# KiCad board RadCheck-SDRAM.kicad_pcb (continued)
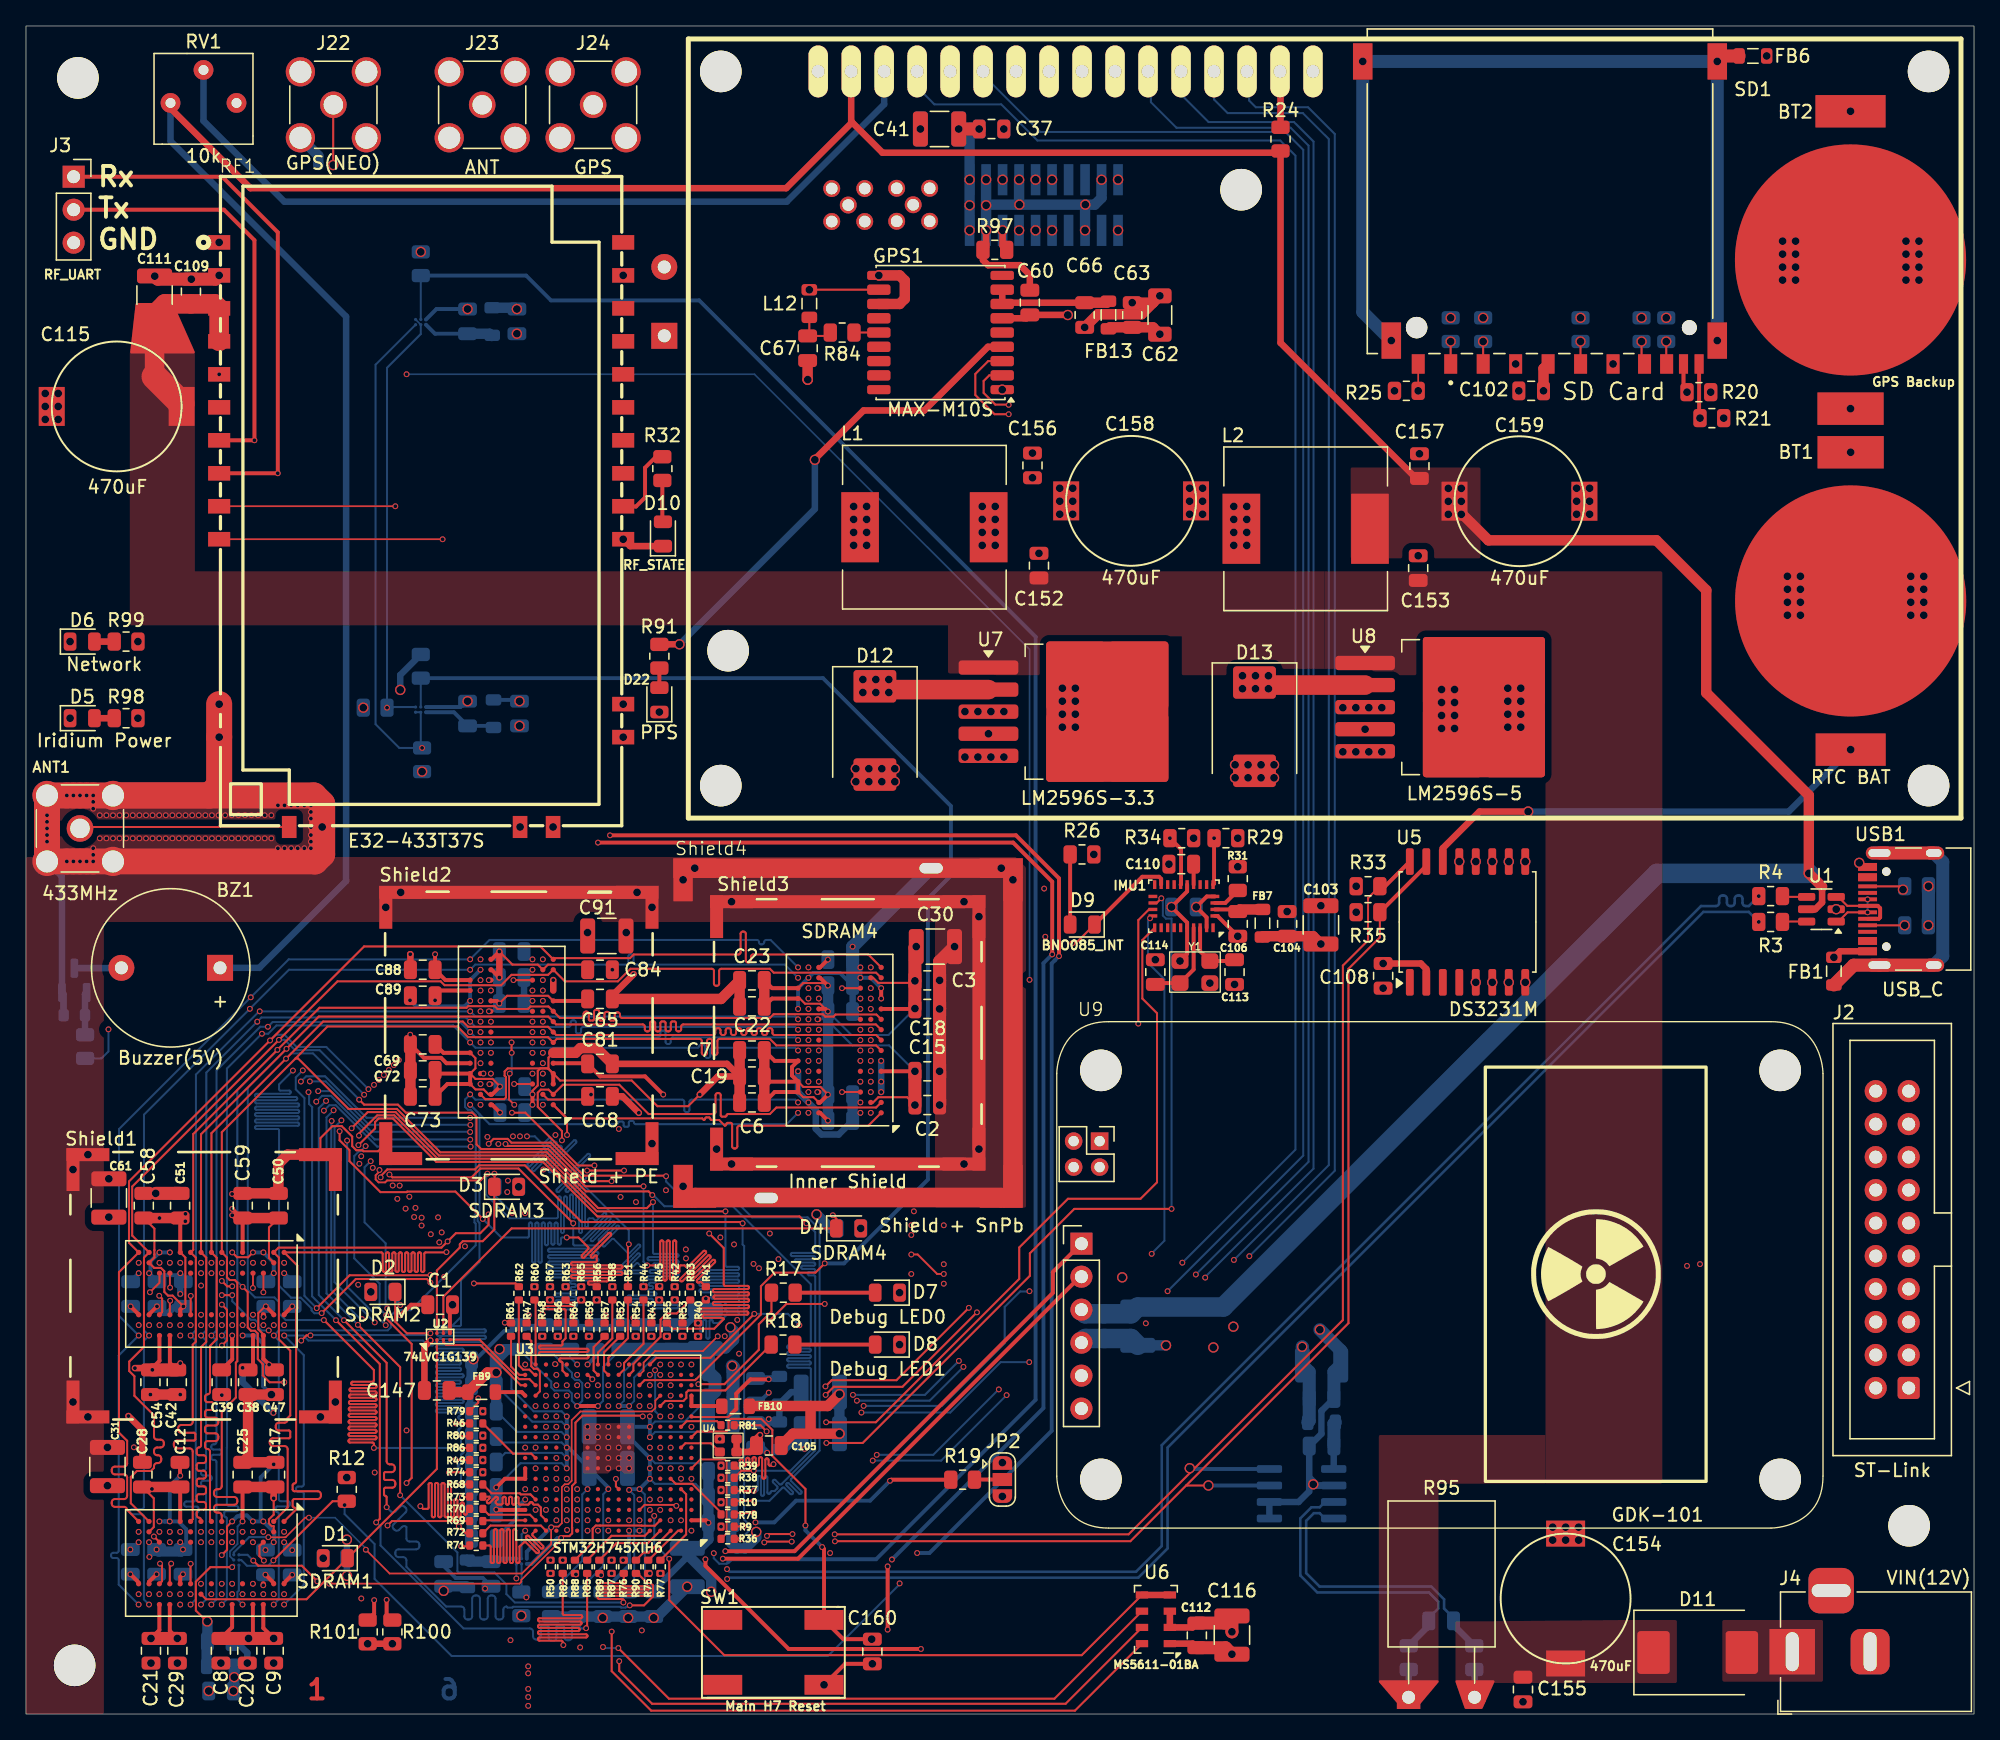
[diagram p0: board, top side]
## Routing (per net, layer and track width the routed paths; a pad name or vN(x,y) marks a point on that pad's centre or on a via; arc(x,y) is an arc through that point) (continued)
SDRAM_D27: length 168.7
  Top w0.157: R74.2 32.61,18.62 v1(32.59,18.6)
  In1.Cu w0.127: 17.89,25 17.89,34.36 v1(18.28,34.75) 18.28,35.02 18.66,35.39 18.66,40.8 v1(23.54,45.67) 24.91,47.05 24.91,47.2 28.47,50.76 32.72,50.76 34.54,48.94 39.38,48.94 v1(39.8,48.52) 40.18,48.14 40.76,48.14 40.9,48.28 46.26,48.28 ; 17.89,19.18 17.89,14.41 v1(18.27,14.03) ; 52.78,48.28 64.67,48.28 v1(65.05,47.9)
  In1.Cu w0.129: 52.78,48.28 47.78,48.28 arc(47.66,48.33) 47.62,48.44 47.62,48.66 arc(47.57,48.77) 47.46,48.82 47.38,48.82 arc(47.26,48.77) 47.22,48.66 47.22,47.1 arc(47.17,46.99) 47.06,46.94 46.98,46.94 arc(46.86,46.99) 46.82,47.1 46.82,48.66 arc(46.77,48.77) 46.66,48.82 46.58,48.82 arc(46.46,48.77) 46.42,48.66 46.42,48.44 arc(46.37,48.33) 46.26,48.28 ; 17.89,25 17.89,22.06 arc(17.96,21.89) 18.13,21.82 18.76,21.82 arc(18.93,21.75) 19,21.58 19,21.46 arc(18.93,21.29) 18.76,21.22 17.77,21.22 arc(17.67,21.18) 17.64,21.09 17.64,20.75 arc(17.67,20.66) 17.77,20.62 18.76,20.62 arc(18.93,20.55) 19,20.38 19,20.26 arc(18.93,20.09) 18.76,20.02 17.78,20.02 arc(17.7,19.99) 17.67,19.91 17.67,19.4 arc(17.7,19.32) 17.78,19.29 arc(17.86,19.26) 17.89,19.18
  In3.Cu w0.142: v1(26.85,18.6) 26.2,19.25 26.2,30.08 v1(25.87,30.41)
  In4.Cu w0.129: v1(26.85,18.6) 29.54,18.6 arc(29.61,18.63) 29.63,18.69 29.63,20.37 arc(29.66,20.43) 29.72,20.46 29.76,20.46 arc(29.83,20.43) 29.85,20.37 29.85,16.73 arc(29.88,16.67) 29.94,16.64 29.98,16.64 arc(30.05,16.67) 30.07,16.73 30.07,20.37 arc(30.1,20.43) 30.16,20.46 30.2,20.46 arc(30.26,20.43) 30.29,20.37 30.29,16.73 arc(30.32,16.67) 30.38,16.64 30.42,16.64 arc(30.48,16.67) 30.51,16.73 30.51,20.37 arc(30.54,20.43) 30.6,20.46 30.64,20.46 arc(30.7,20.43) 30.73,20.37 30.73,16.73 arc(30.75,16.67) 30.82,16.64 30.86,16.64 arc(30.92,16.67) 30.95,16.73 30.95,20.37 arc(30.97,20.43) 31.04,20.46 31.08,20.46 arc(31.14,20.43) 31.17,20.37 31.17,16.73 arc(31.19,16.67) 31.25,16.64 31.3,16.64 arc(31.36,16.67) 31.39,16.73 31.39,20.37 arc(31.41,20.43) 31.47,20.46 31.52,20.46 arc(31.58,20.43) 31.61,20.37 31.61,16.73 arc(31.63,16.67) 31.69,16.64 31.74,16.64 arc(31.8,16.67) 31.83,16.73 31.83,20.37 arc(31.85,20.43) 31.91,20.46 31.96,20.46 arc(32.02,20.43) 32.04,20.37 32.04,16.73 arc(32.07,16.67) 32.13,16.64 32.18,16.64 arc(32.24,16.67) 32.26,16.73 32.26,18.51 arc(32.29,18.57) 32.35,18.6 32.58,18.6 v1(32.59,18.6)
  Bottom w0.157: v1(23.54,45.67) 23.51,45.65 23.51,32.65 25.75,30.41 v1(25.87,30.41)
SDRAM_D28: length 172.8
  Top w0.157: v1(41.27,44.18) 41.27,44.89 39.41,46.76 39.41,47.85 39.65,48.09 40.23,48.09 SDRAM3.B1 41.34,48.46 45.69,48.46 47.94,46.21 52.94,46.21 arc(53.05,46.25) 53.1,46.37 53.1,47.66 arc(53.14,47.77) 53.26,47.82 53.34,47.82 arc(53.45,47.77) 53.5,47.66 53.5,46.11 arc(53.53,46.04) 53.6,46.01 53.85,46.01 arc(53.92,46.04) 53.95,46.11 arc(53.98,46.18) 54.05,46.21 57.28,46.21 57.78,46.71 65.46,46.71 SDRAM4.B1 ; v1(35.62,38.48) 35.62,37.67 34.98,37.03 33.1,37.03 v1(32.47,36.39) 31.99,35.92 19.45,35.92 SDRAM2.B1 19.47,35.16 19.47,28.86 20.35,27.98 20.35,23 20.15,22.8 20.15,22.68 arc(20.08,22.51) 19.91,22.44 19.47,22.44 arc(19.3,22.37) 19.23,22.2 19.23,22.08 arc(19.3,21.91) 19.47,21.84 20.25,21.84 arc(20.32,21.81) 20.35,21.74 20.35,21.34 arc(20.32,21.27) 20.25,21.24 19.01,21.24 arc(18.84,21.17) 18.77,21 18.77,20.88 arc(18.84,20.71) 19.01,20.64 19.91,20.64 arc(20.08,20.57) 20.15,20.4 20.15,15.91 SDRAM1.B1
  In3.Cu w0.142: v1(41.27,44.18) 40.21,44.18 v1(37.11,41.08) ; v1(32.47,36.39) 32.93,35.93 32.93,35.18 31.81,34.06 31.81,19.92 34.61,17.12 34.61,14.16 arc(34.58,14.1) 34.52,14.07 32.88,14.07 arc(32.82,14.04) 32.79,13.97 32.79,13.93 arc(32.82,13.86) 32.88,13.84 35.74,13.84 arc(35.8,13.81) 35.83,13.74 35.83,13.7 arc(35.8,13.63) 35.74,13.6 33.33,13.6 arc(33.27,13.58) 33.24,13.51 33.24,13.46 arc(33.27,13.4) 33.33,13.37 35.59,13.37 arc(35.65,13.34) 35.68,13.28 35.68,13.23 arc(35.65,13.17) 35.59,13.14 34.38,13.14 arc(34.32,13.11) 34.29,13.04 34.29,13 arc(34.32,12.93) 34.38,12.91 34.89,12.91 arc(34.95,12.88) 34.98,12.81 34.98,12.77 arc(34.95,12.7) 34.89,12.67 34.7,12.67 arc(34.64,12.65) 34.61,12.58 34.92,12.27 arc(34.98,12.25) 35.05,12.27 35.53,12.76 arc(35.6,12.79) 35.66,12.76 35.7,12.73 arc(35.72,12.66) 35.7,12.59 35.21,12.11 arc(35.18,12.04) 35.21,11.98 35.24,11.95 arc(35.31,11.92) 35.38,11.95 35.54,12.11 arc(35.61,12.14) 35.67,12.11 35.71,12.08 arc(35.73,12.01) 35.71,11.95 35.54,11.78 arc(35.51,11.72) 35.54,11.65 35.74,11.45 35.99,11.45 arc(36.06,11.48) 36.09,11.54 36.09,13.28 arc(36.11,13.34) 36.18,13.37 36.23,13.37 arc(36.29,13.34) 36.32,13.28 36.32,11.54 arc(36.35,11.48) 36.41,11.45 36.46,11.45 arc(36.52,11.48) 36.55,11.54 36.55,13.28 arc(36.58,13.34) 36.64,13.37 36.69,13.37 arc(36.76,13.34) 36.78,13.28 36.78,11.54 arc(36.81,11.48) 36.88,11.45 36.92,11.45 arc(36.99,11.48) 37.02,11.54 37.02,13.28 arc(37.04,13.34) 37.11,13.37 37.16,13.37 arc(37.22,13.34) 37.25,13.28 37.25,11.54 arc(37.28,11.48) 37.34,11.45 37.39,11.45 arc(37.45,11.48) 37.48,11.54 37.48,13.28 arc(37.51,13.34) 37.57,13.37 37.62,13.37 arc(37.69,13.34) 37.71,13.28 37.71,11.54 arc(37.74,11.48) 37.81,11.45 37.85,11.45 arc(37.92,11.48) 37.95,11.54 37.95,13.28 arc(37.97,13.34) 38.04,13.37 38.09,13.37 arc(38.15,13.34) 38.18,13.28 38.18,11.54 arc(38.21,11.48) 38.27,11.45 38.32,11.45 arc(38.38,11.48) 38.41,11.54 38.41,13.28 arc(38.44,13.34) 38.5,13.37 38.55,13.37 arc(38.62,13.34) 38.64,13.28 38.64,11.54 arc(38.67,11.48) 38.74,11.45 38.78,11.45 arc(38.85,11.48) 38.88,11.54 38.88,13.28 arc(38.9,13.34) 38.97,13.37 39.02,13.37 arc(39.08,13.34) 39.11,13.28 39.11,11.54 arc(39.14,11.48) 39.2,11.45 39.25,11.45 arc(39.31,11.48) 39.34,11.54 39.34,13.28 arc(39.37,13.34) 39.43,13.37 39.48,13.37 arc(39.55,13.34) 39.57,13.28 39.57,11.54 arc(39.6,11.48) 39.67,11.45 47.42,11.45 v1(48.04,10.83)
  In4.Cu w0.129: v1(37.11,41.08) 36.33,41.08 35.62,40.37 v1(35.62,38.48)
SDRAM_D29: length 165.7
  Top w0.157: v1(28.81,16.85) 28.81,26.72 v1(25.56,29.97) ; R76.2 46.03,10.19 arc(46,10.12) 45.93,10.09 44.13,10.09 arc(44.06,10.06) 44.03,9.99 44.03,9.94 arc(44.06,9.87) 44.13,9.84 47.93,9.84 arc(48,9.81) 48.03,9.74 48.03,9.69 arc(48,9.62) 47.93,9.6 44.13,9.6 arc(44.06,9.57) 44.03,9.5 44.03,9.45 arc(44.06,9.38) 44.13,9.35 47.93,9.35 arc(48,9.32) 48.03,9.25 48.03,9.2 arc(48,9.13) 47.93,9.1 44.13,9.1 arc(44.06,9.07) 44.03,9 44.03,8.95 arc(44.06,8.88) 44.13,8.86 45.93,8.86 arc(46,8.83) 46.03,8.76 46.03,8.62 v1(46,8.59)
  In1.Cu w0.127: v1(17.47,14.03) 17.09,14.41 17.09,14.46 ; 17.09,21.59 17.09,34.36 v1(17.48,34.75) 17.86,35.13 17.86,40.67 v1(23.68,46.49) 23.68,46.57 28.23,51.12 32.67,51.12 34.06,49.73 39.39,49.73 v1(39.8,49.32) 40.19,48.93 40.75,48.93 40.9,49.08 42.75,49.08 ; 48.15,49.08 64.67,49.08 v1(65.05,48.7) ; 17.09,14.88 17.09,15.12
  In1.Cu w0.129: 17.09,21.59 17.09,19.8 arc(17.02,19.63) 16.85,19.56 16.81,19.56 arc(16.64,19.49) 16.57,19.32 16.57,19.2 arc(16.64,19.03) 16.81,18.96 17.38,18.96 arc(17.55,18.89) 17.62,18.72 17.62,18.6 arc(17.55,18.43) 17.38,18.36 16.81,18.36 arc(16.64,18.29) 16.57,18.12 16.57,18 arc(16.64,17.83) 16.81,17.76 17.38,17.76 arc(17.55,17.69) 17.62,17.52 17.62,17.4 arc(17.55,17.23) 17.38,17.16 16.81,17.16 arc(16.64,17.09) 16.57,16.92 16.57,16.8 arc(16.64,16.63) 16.81,16.56 17.38,16.56 arc(17.55,16.49) 17.62,16.32 17.62,16.2 arc(17.55,16.03) 17.38,15.96 16.81,15.96 arc(16.64,15.89) 16.57,15.72 16.57,15.6 arc(16.64,15.43) 16.81,15.36 16.85,15.36 arc(17.02,15.29) 17.09,15.12 ; 17.09,14.46 17.09,14.88 ; 48.15,49.08 45.07,49.08 arc(44.95,49.13) 44.91,49.24 44.91,49.45 arc(44.86,49.56) 44.75,49.61 44.67,49.61 arc(44.55,49.56) 44.51,49.45 44.51,48.76 arc(44.46,48.65) 44.35,48.6 44.27,48.6 arc(44.15,48.65) 44.11,48.76 44.11,49.45 arc(44.06,49.56) 43.95,49.61 43.87,49.61 arc(43.75,49.56) 43.71,49.45 43.71,48.76 arc(43.66,48.65) 43.55,48.6 43.47,48.6 arc(43.35,48.65) 43.31,48.76 43.31,49.45 arc(43.26,49.56) 43.15,49.61 43.07,49.61 arc(42.95,49.56) 42.91,49.45 42.91,49.24 arc(42.86,49.13) 42.75,49.08
  Bottom w0.157: v1(23.68,46.49) 23.14,45.95 23.14,32.39 v1(25.56,29.97) ; v1(46,8.59) 37.64,8.59 36.99,9.24 36.99,9.98 36.06,10.91 33.31,10.91 33.22,11 33.22,12.44 v1(28.81,16.85)
SDRAM_D30: length 169.1
  Top w0.142: SDRAM2.D3 17.48,32.82 v1(17.47,32.81)
  Top w0.157: v1(27.74,30.7) 27.74,30.46 29.7,28.5 29.7,18.18 v1(29.3,17.79)
  In2.Cu w0.127: v1(17.47,13.23) 17.09,13.61 17.09,18.39 ; 26.18,43.84 31.27,48.94 38.62,48.94 v1(39,49.32) 39.39,48.93 40.75,48.93 40.9,49.08 43.33,49.08 ; 26.18,43.84 26.15,43.82 v1(26.15,43.74) ; 26.18,43.84 25.87,43.54 25.86,43.54 18.87,36.55 18.87,34.28 17.47,32.88 v1(17.47,32.81) 17.09,32.43 17.09,23.84 ; 52.47,49.08 63.87,49.08 v1(64.25,48.7)
  In2.Cu w0.129: 17.09,23.84 17.09,22.31 arc(17.05,22.2) 16.93,22.15 16.03,22.15 arc(15.92,22.11) 15.87,21.99 15.87,21.91 arc(15.92,21.8) 16.03,21.75 17.36,21.75 arc(17.47,21.71) 17.52,21.59 17.52,21.51 arc(17.47,21.4) 17.36,21.35 16.03,21.35 arc(15.92,21.31) 15.87,21.19 15.87,21.11 arc(15.92,21) 16.03,20.95 17.19,20.95 arc(17.27,20.92) 17.29,20.85 17.29,20.65 arc(17.27,20.58) 17.19,20.55 16.02,20.55 arc(15.91,20.51) 15.86,20.39 15.86,20.31 arc(15.91,20.2) 16.02,20.15 16.93,20.15 arc(17.05,20.11) 17.09,19.99 17.09,19.91 arc(17.05,19.8) 16.93,19.75 16.4,19.75 arc(16.29,19.71) 16.24,19.59 16.24,19.51 arc(16.29,19.4) 16.4,19.35 17.19,19.35 arc(17.27,19.32) 17.29,19.25 17.29,19.05 arc(17.27,18.98) 17.19,18.95 16.32,18.95 arc(16.2,18.91) 16.16,18.79 16.16,18.71 arc(16.2,18.6) 16.32,18.55 16.93,18.55 arc(17.05,18.51) 17.09,18.39 ; 52.47,49.08 44.45,49.08 arc(44.33,49.03) 44.29,48.92 44.29,48.78 arc(44.24,48.66) 44.13,48.62 44.05,48.62 arc(43.93,48.66) 43.89,48.78 43.89,50.23 arc(43.84,50.35) 43.73,50.39 43.65,50.39 arc(43.53,50.35) 43.49,50.23 43.49,49.24 arc(43.44,49.13) 43.33,49.08
  In4.Cu w0.129: v1(29.3,17.79) 29.3,12.76 32,10.06 38,10.06 arc(38.17,10.13) 38.24,10.3 38.24,10.81 arc(38.31,10.98) 38.48,11.05 38.6,11.05 arc(38.77,10.98) 38.84,10.81 38.84,9.32 arc(38.91,9.15) 39.08,9.08 39.2,9.08 arc(39.37,9.15) 39.44,9.32 39.44,10.61 arc(39.51,10.78) 39.68,10.85 39.8,10.85 arc(39.97,10.78) 40.04,10.61 40.04,9.32 arc(40.11,9.15) 40.28,9.08 40.4,9.08 arc(40.57,9.15) 40.64,9.32 40.64,10.41 arc(40.71,10.58) 40.88,10.65 41,10.65 arc(41.17,10.58) 41.24,10.41 41.24,9.32 arc(41.31,9.15) 41.48,9.08 41.6,9.08 arc(41.77,9.15) 41.84,9.32 41.84,10.21 arc(41.89,10.31) 41.99,10.35 42.3,10.35 arc(42.4,10.31) 42.44,10.21 42.44,9.32 arc(42.51,9.15) 42.68,9.08 42.8,9.08 arc(42.97,9.15) 43.04,9.32 43.04,10.81 arc(43.11,10.98) 43.28,11.05 43.4,11.05 arc(43.57,10.98) 43.64,10.81 43.64,9.32 arc(43.71,9.15) 43.88,9.08 44,9.08 arc(44.17,9.15) 44.24,9.32 44.24,10.18 arc(44.28,10.26) 44.36,10.3 44.73,10.3 arc(44.81,10.26) 44.84,10.18 44.84,9.32 arc(44.91,9.15) 45.08,9.08 45.2,9.08 arc(45.37,9.15) 45.44,9.32 45.44,10.61 arc(45.51,10.78) 45.68,10.85 45.8,10.85 arc(45.97,10.78) 46.04,10.61 46.04,9.32 arc(46.11,9.15) 46.28,9.08 46.4,9.08 arc(46.57,9.15) 46.64,9.32 46.64,10.81 arc(46.71,10.98) 46.88,11.05 47,11.05 arc(47.17,10.98) 47.24,10.81 47.24,9.32 arc(47.31,9.15) 47.48,9.08 47.6,9.08 arc(47.77,9.15) 47.84,9.32 47.84,9.82 arc(47.91,9.99) 48.08,10.06 v1(48.85,10.83)
  Bottom w0.157: v1(26.15,43.74) 25.76,43.35 25.65,43.35 25.28,42.97 25.28,35.1 27.23,33.14 27.23,31.21 v1(27.74,30.7)
SDRAM_D31: length 175.3
  Top w0.157: v1(56.04,15.48) 54.65,15.48
  In1.Cu w0.127: 53.6,49.92 40,49.92 v1(39.8,50.12) 39.38,50.54 34.84,50.54 34.26,51.13 33.95,51.13 33.56,51.52 27.99,51.52 v1(22.94,46.47) 16.68,40.21 v1(16.68,34.75) 16.29,34.36 16.29,26.37 ; v1(16.67,14.03) 16.29,14.42 16.29,19.32 ; v1(65.05,49.5) 64.63,49.92 61.19,49.92
  In1.Cu w0.129: 16.29,26.37 16.29,23.4 arc(16.36,23.23) 16.53,23.16 16.54,23.16 arc(16.71,23.09) 16.78,22.92 16.78,22.8 arc(16.71,22.63) 16.54,22.56 16.04,22.56 arc(15.87,22.49) 15.8,22.32 15.8,22.2 arc(15.87,22.03) 16.04,21.96 16.54,21.96 arc(16.71,21.89) 16.78,21.72 16.78,21.6 arc(16.71,21.43) 16.54,21.36 15.99,21.36 arc(15.82,21.29) 15.75,21.12 15.75,21 arc(15.82,20.83) 15.99,20.76 16.54,20.76 arc(16.71,20.69) 16.78,20.52 16.78,20.4 arc(16.71,20.23) 16.54,20.16 15.99,20.16 arc(15.82,20.09) 15.75,19.92 15.75,19.8 arc(15.82,19.63) 15.99,19.56 16.05,19.56 arc(16.22,19.49) 16.29,19.32 ; 61.19,49.92 59.52,49.92 arc(59.41,49.97) 59.36,50.08 59.36,50.26 arc(59.32,50.37) 59.2,50.42 59.12,50.42 arc(59.01,50.37) 58.96,50.26 58.96,49.48 arc(58.92,49.37) 58.8,49.32 58.72,49.32 arc(58.61,49.37) 58.56,49.48 58.56,50.26 arc(58.52,50.37) 58.4,50.42 58.32,50.42 arc(58.21,50.37) 58.16,50.26 58.16,49.48 arc(58.12,49.37) 58,49.32 57.92,49.32 arc(57.81,49.37) 57.76,49.48 57.76,50.26 arc(57.72,50.37) 57.6,50.42 57.52,50.42 arc(57.41,50.37) 57.36,50.26 57.36,49.48 arc(57.32,49.37) 57.2,49.32 57.12,49.32 arc(57.01,49.37) 56.96,49.48 56.96,50.26 arc(56.92,50.37) 56.8,50.42 56.72,50.42 arc(56.61,50.37) 56.56,50.26 56.56,49.48 arc(56.52,49.37) 56.4,49.32 56.32,49.32 arc(56.21,49.37) 56.16,49.48 56.16,49.76 arc(56.12,49.87) 56,49.92 55.92,49.92 arc(55.81,49.87) 55.76,49.76 55.76,49.52 arc(55.72,49.41) 55.6,49.36 55.52,49.36 arc(55.41,49.41) 55.36,49.52 55.36,50.22 arc(55.32,50.34) 55.2,50.38 55.12,50.38 arc(55.01,50.34) 54.96,50.22 54.96,49.52 arc(54.92,49.41) 54.8,49.36 54.72,49.36 arc(54.61,49.41) 54.56,49.52 54.56,50.22 arc(54.52,50.34) 54.4,50.38 54.32,50.38 arc(54.21,50.34) 54.16,50.22 54.16,49.52 arc(54.12,49.41) 54,49.36 53.92,49.36 arc(53.81,49.41) 53.76,49.52 53.76,49.76 arc(53.72,49.87) 53.6,49.92
  In3.Cu w0.142: v1(56.04,15.48) 56.13,15.48 56.25,15.6 arc(56.28,15.67) 56.25,15.73 56.16,15.82 arc(56.13,15.89) 56.16,15.96 56.19,15.99 arc(56.26,16.02) 56.33,15.99 57.1,15.22 arc(57.16,15.19) 57.23,15.22 57.26,15.25 arc(57.29,15.31) 57.26,15.38 56.49,16.15 arc(56.46,16.22) 56.49,16.28 56.52,16.32 arc(56.59,16.34) 56.65,16.32 57.43,15.55 arc(57.49,15.52) 57.56,15.55 57.59,15.58 arc(57.62,15.64) 57.59,15.71 57.04,16.26 arc(57.01,16.33) 57.04,16.39 57.17,16.52 57.17,16.8 arc(57.14,16.87) 57.08,16.9 56.55,16.9 arc(56.48,16.92) 56.46,16.99 56.46,17.04 arc(56.48,17.1) 56.55,17.13 58.04,17.13 arc(58.11,17.16) 58.13,17.22 58.13,17.27 arc(58.11,17.33) 58.04,17.36 56.5,17.36 arc(56.43,17.39) 56.41,17.45 56.41,17.5 arc(56.43,17.57) 56.5,17.59 58.04,17.59 arc(58.11,17.62) 58.13,17.69 58.13,17.73 arc(58.11,17.8) 58.04,17.83 56.3,17.83 arc(56.23,17.85) 56.21,17.92 56.21,17.97 arc(56.23,18.03) 56.3,18.06 58.04,18.06 arc(58.11,18.09) 58.13,18.15 58.13,18.2 arc(58.11,18.26) 58.04,18.29 56.45,18.29 arc(56.38,18.32) 56.36,18.38 56.36,18.43 arc(56.38,18.5) 56.45,18.52 58.04,18.52 arc(58.11,18.55) 58.13,18.62 58.13,18.66 arc(58.11,18.73) 58.04,18.76 57.26,18.76 arc(57.2,18.78) 57.17,18.85 57.17,19.4 57.58,19.81 57.58,31.16 43.76,44.98 35.52,44.98 v1(34.24,43.7)
  Bottom w0.157: v1(34.24,43.7) 27.04,43.7 23.85,46.89 23.36,46.89 v1(22.94,46.47)
SDRAM_NBL0: length 174.7
  In1.Cu w0.127: v1(27.94,49.6) 30.24,47.3 35.16,47.3 35.38,47.08 35.38,46.48 36.98,44.88 37.65,44.88 v1(38.04,44.49)
  In2.Cu w0.127: v1(53.47,36.7) 53.39,36.63 45.98,36.63 38.85,43.75 38.77,43.75 v1(38.04,44.49)
  In3.Cu w0.142: v1(18,54.11) 23.43,54.11 v1(27.94,49.6) ; v1(45.09,10.83) 45.52,10.4 52.67,10.4 53.82,11.55 55.73,11.55 58.66,14.48 58.66,31.48 53.47,36.67 v1(53.47,36.7)
  Bottom w0.157: v1(12.67,8.43) 13.07,8.83 13.07,15.41 arc(13.1,15.48) 13.17,15.51 arc(13.24,15.54) 13.27,15.61 13.27,15.87 arc(13.24,15.94) 13.17,15.97 12.34,15.97 arc(12.23,16.02) 12.18,16.13 12.18,16.21 arc(12.23,16.32) 12.34,16.37 12.91,16.37 arc(13.03,16.42) 13.07,16.53 13.07,28.76 v1(12.68,29.15) 13.09,29.56 13.09,49.25 17.96,54.11 v1(18,54.11) v1(34.2,54.11) 34.61,53.71 59.24,53.71 v1(59.45,53.5)
SDRAM_NBL1: length 178.4
  Top w0.157: SDRAM4.K1 65.48,53.87 62.34,53.87 62.18,53.71 61.55,53.71 61.37,53.89 57.57,53.89 57.28,53.61 45.9,53.61 arc(45.79,53.65) 45.74,53.77 45.74,53.87 arc(45.69,53.99) 45.58,54.03 45.5,54.03 arc(45.39,53.99) 45.34,53.87 45.34,53.51 arc(45.31,53.44) 45.24,53.41 45.04,53.41 arc(44.97,53.44) 44.94,53.51 44.94,53.92 arc(44.89,54.03) 44.78,54.08 44.7,54.08 arc(44.59,54.03) 44.54,53.92 44.54,53.51 arc(44.51,53.44) 44.44,53.41 44.24,53.41 arc(44.17,53.44) 44.14,53.51 44.14,54.08 arc(44.09,54.19) 43.98,54.24 43.9,54.24 arc(43.79,54.19) 43.74,54.08 43.74,53.51 arc(43.71,53.44) 43.64,53.41 43.44,53.41 arc(43.37,53.44) 43.34,53.51 43.34,53.93 arc(43.29,54.04) 43.18,54.09 43.1,54.09 arc(42.99,54.04) 42.94,53.93 42.94,53.77 arc(42.89,53.65) 42.78,53.61 41.11,53.61 SDRAM3.K1 40.23,54.49 38.85,54.49 38.66,54.3 36.31,54.3 36.1,54.51 34.05,54.51 33.92,54.39 30.46,54.39 22.6,54.39 v1(19.36,51.15) 12.88,44.67 12.88,35.75 SDRAM2.K1 13.08,35.15 13.08,28.68 12.84,28.44 12.84,22.5 arc(12.77,22.33) 12.6,22.26 11.96,22.26 arc(11.79,22.19) 11.72,22.02 11.72,21.9 arc(11.79,21.73) 11.96,21.66 12.94,21.66 arc(13.01,21.63) 13.04,21.56 13.04,21.16 arc(13.01,21.09) 12.94,21.06 11.63,21.06 arc(11.46,20.99) 11.39,20.82 11.39,20.7 arc(11.46,20.53) 11.63,20.46 12.6,20.46 arc(12.77,20.39) 12.84,20.22 12.84,15 SDRAM1.K1 ; v1(19.89,25.55) 18.76,25.55 18.24,26.07 18.24,26.95 17.85,27.34 17.85,29.3 17.63,29.52 17.33,29.52 17.07,29.77 17.07,32.51 v1(16.68,32.9)
  In3.Cu w0.142: v1(19.89,25.55) 19.89,21.28 31.12,10.06 39.56,10.06 arc(39.62,10.03) 39.65,9.96 39.65,8.41 arc(39.68,8.35) 39.74,8.32 39.79,8.32 arc(39.86,8.35) 39.88,8.41 39.88,10.4 arc(39.91,10.47) 39.98,10.5 40.02,10.5 arc(40.09,10.47) 40.12,10.4 40.12,8.41 arc(40.14,8.35) 40.21,8.32 40.26,8.32 arc(40.32,8.35) 40.35,8.41 40.35,10.25 arc(40.38,10.32) 40.44,10.35 40.49,10.35 arc(40.55,10.32) 40.58,10.25 40.58,8.41 arc(40.61,8.35) 40.67,8.32 40.72,8.32 arc(40.79,8.35) 40.81,8.41 40.81,10.8 arc(40.84,10.87) 40.91,10.9 40.95,10.9 arc(41.02,10.87) 41.05,10.8 41.05,8.41 arc(41.07,8.35) 41.14,8.32 41.19,8.32 arc(41.25,8.35) 41.28,8.41 41.28,9.96 arc(41.31,10.03) 41.37,10.06 41.65,10.06 41.8,10.21 arc(41.87,10.23) 41.94,10.21 43.17,8.97 arc(43.24,8.94) 43.31,8.97 43.34,9 arc(43.37,9.07) 43.34,9.13 42.1,10.37 arc(42.07,10.44) 42.1,10.5 v1(42.35,10.75)
  Bottom w0.157: v1(19.36,51.15) 16.27,48.06 16.27,33.31 v1(16.68,32.9)
SDRAM_NBL2: length 169.1
  In3.Cu w0.142: v1(30.46,38.22) 29.69,37.45 29.69,17.39 arc(29.66,17.32) 29.6,17.29 29.18,17.29 arc(29.12,17.27) 29.09,17.2 29.09,17.15 arc(29.12,17.09) 29.18,17.06 29.95,17.06 arc(30.01,17.03) 30.04,16.97 30.04,16.92 arc(30.01,16.86) 29.95,16.83 29.53,16.83 arc(29.47,16.8) 29.44,16.73 29.44,16.69 arc(29.47,16.62) 29.53,16.6 29.95,16.6 arc(30.01,16.57) 30.04,16.5 30.04,16.46 arc(30.01,16.39) 29.95,16.36 29.78,16.36 arc(29.72,16.34) 29.69,16.27 29.69,16.22 arc(29.72,16.16) 29.78,16.13 29.85,16.13 arc(29.91,16.1) 29.94,16.04 29.94,15.99 arc(29.91,15.93) 29.85,15.9 29.78,15.9 arc(29.72,15.87) 29.69,15.81 29.69,15.76 arc(29.72,15.69) 29.78,15.67 30.15,15.67 arc(30.21,15.64) 30.24,15.57 30.24,15.53 arc(30.21,15.46) 30.15,15.43 29.78,15.43 arc(29.72,15.41) 29.69,15.34 29.69,15.29 arc(29.72,15.23) 29.78,15.2 30.65,15.2 arc(30.71,15.17) 30.74,15.11 30.74,15.06 arc(30.71,15) 30.65,14.97 29.78,14.97 arc(29.72,14.94) 29.69,14.88 29.69,14.83 arc(29.72,14.76) 29.78,14.74 31,14.74 arc(31.06,14.71) 31.09,14.64 31.09,14.6 arc(31.06,14.53) 31,14.5 29.78,14.5 arc(29.72,14.48) 29.69,14.41 29.69,14.36 arc(29.72,14.3) 29.78,14.27 30.55,14.27 arc(30.61,14.24) 30.64,14.18 30.64,14.13 arc(30.61,14.07) 30.55,14.04 29.78,14.04 arc(29.72,14.01) 29.69,13.94 29.69,13.9 arc(29.72,13.83) 29.78,13.81 30.1,13.81 arc(30.16,13.78) 30.19,13.71 30.19,13.67 arc(30.16,13.6) 30.1,13.57 29.78,13.57 arc(29.72,13.55) 29.69,13.48 30.01,13.16 arc(30.08,13.13) 30.14,13.16 31.35,14.37 arc(31.42,14.4) 31.49,14.37 31.52,14.34 arc(31.55,14.27) 31.52,14.2 30.31,12.99 arc(30.28,12.93) 30.31,12.86 30.34,12.83 arc(30.41,12.8) 30.47,12.83 31.68,14.04 arc(31.75,14.07) 31.82,14.04 31.85,14.01 arc(31.88,13.94) 31.85,13.88 30.64,12.66 arc(30.61,12.6) 30.64,12.53 30.67,12.5 arc(30.74,12.47) 30.8,12.5 32.01,13.71 arc(32.08,13.74) 32.14,13.71 32.18,13.68 arc(32.2,13.61) 32.18,13.55 30.97,12.34 arc(30.94,12.27) 30.97,12.2 31,12.17 arc(31.06,12.14) 31.13,12.17 31.95,12.99 arc(32.02,13.02) 32.08,12.99 32.12,12.96 arc(32.14,12.89) 32.12,12.83 31.29,12.01 arc(31.27,11.94) 31.29,11.88 31.33,11.84 arc(31.39,11.81) 31.46,11.84 31.96,12.35 arc(32.03,12.37) 32.09,12.35 32.13,12.31 arc(32.15,12.25) 32.13,12.18 31.62,11.68 arc(31.6,11.61) 31.62,11.55 31.66,11.51 arc(31.72,11.49) 31.79,11.51 31.97,11.7 arc(32.04,11.73) 32.11,11.7 32.14,11.67 arc(32.17,11.6) 32.14,11.53 31.95,11.35 arc(31.93,11.28) 31.95,11.22 32.37,11.22 arc(32.44,11.24) 32.47,11.31 32.47,13.12 arc(32.49,13.19) 32.56,13.22 32.6,13.22 arc(32.67,13.19) 32.7,13.12 32.7,11.31 arc(32.73,11.24) 32.79,11.22 32.84,11.22 arc(32.9,11.24) 32.93,11.31 32.93,12.67 arc(32.96,12.74) 33.02,12.77 33.07,12.77 arc(33.14,12.74) 33.16,12.67 33.16,11.31 arc(33.19,11.24) 33.26,11.22 33.3,11.22 arc(33.37,11.24) 33.4,11.31 33.4,12.42 arc(33.42,12.49) 33.49,12.52 33.53,12.52 arc(33.6,12.49) 33.63,12.42 33.63,11.31 arc(33.66,11.24) 33.72,11.22 33.77,11.22 arc(33.83,11.24) 33.86,11.31 33.86,12.67 arc(33.89,12.74) 33.95,12.77 34,12.77 arc(34.07,12.74) 34.09,12.67 34.09,11.31 arc(34.12,11.24) 34.19,11.22 34.23,11.22 arc(34.3,11.24) 34.33,11.31 34.33,12.22 arc(34.35,12.29) 34.42,12.32 34.46,12.32 arc(34.53,12.29) 34.56,12.22 34.56,11.31 arc(34.59,11.24) 34.65,11.22 34.7,11.22 arc(34.76,11.24) 34.79,11.31 34.79,11.77 arc(34.82,11.84) 34.88,11.87 34.93,11.87 arc(35,11.84) 35.02,11.77 35.02,11.31 arc(35.05,11.24) 35.12,11.22 35.16,11.22 arc(35.23,11.24) 35.26,11.31 35.26,11.32 arc(35.28,11.39) 35.35,11.42 35.39,11.42 arc(35.46,11.39) 35.49,11.32 35.49,11.31 arc(35.52,11.24) 35.58,11.22 43.76,11.22 v1(44.29,10.69)
  In4.Cu w0.129: v1(60.25,50.3) 60.05,50.5 49.67,50.5 arc(49.56,50.45) 49.51,50.34 49.51,50.29 arc(49.47,50.17) 49.35,50.13 49.27,50.13 arc(49.16,50.17) 49.11,50.29 49.11,51.11 arc(49.07,51.23) 48.95,51.27 48.87,51.27 arc(48.76,51.23) 48.71,51.11 48.71,50.66 arc(48.67,50.55) 48.55,50.5 35.42,50.5 v1(35,50.92) 34.46,50.92 33.38,49.84 33.38,41.14 v1(30.46,38.22) 28.17,35.93 18.12,35.93 17.9,35.71 17.9,35.39 17.64,35.13 17.32,35.13 17.1,34.91 17.1,34.59 16.26,33.75 16.26,30.33 v1(15.88,29.95) 15.49,29.56 15.49,20.13 arc(15.44,20.02) 15.33,19.97 15.21,19.97 arc(15.09,19.93) 15.05,19.81 15.05,19.73 arc(15.09,19.62) 15.21,19.57 15.77,19.57 arc(15.89,19.53) 15.93,19.41 15.93,19.33 arc(15.89,19.22) 15.77,19.17 15.21,19.17 arc(15.09,19.13) 15.05,19.01 15.05,18.93 arc(15.09,18.82) 15.21,18.77 15.33,18.77 arc(15.44,18.73) 15.49,18.61 15.49,9.62 v1(15.87,9.23)
SDRAM_NBL3: length 170.3
  Top w0.157: v1(27.77,15.93) 27.77,16.7 arc(27.74,16.77) 27.67,16.8 arc(27.6,16.83) 27.57,16.9 27.57,17.33 arc(27.6,17.4) 27.67,17.43 28.2,17.43 arc(28.37,17.5) 28.44,17.67 28.44,17.79 arc(28.37,17.96) 28.2,18.03 27.67,18.03 arc(27.6,18.06) 27.57,18.13 27.57,18.53 arc(27.6,18.6) 27.67,18.63 28.16,18.63 arc(28.33,18.7) 28.4,18.87 28.4,18.99 arc(28.33,19.16) 28.16,19.23 28.01,19.23 arc(27.84,19.3) 27.77,19.47 27.77,27.05 v1(24.49,30.33) ; 47.23,10.83 47.23,10.7 47.83,10.09 48.09,10.09 48.28,9.9 48.28,9.06 47.59,8.37 v1(46.49,8.37)
  In1.Cu w0.127: 15.46,15.13 15.46,15.21 ; 15.46,15.12 15.46,14.45 v1(15.87,14.03) ; 54.03,50.68 64.67,50.68 v1(65.05,50.3) ; 48.94,50.68 40.04,50.68 v1(39.8,50.92) 39.38,51.34 34.04,51.34 33.45,51.94 27.83,51.94 v1(23.11,47.21) 16.26,40.37 16.26,35.13 v1(15.88,34.75) 15.49,34.36 15.49,22.24 15.46,22.21